# Allegro board Coral-Dev-Board-baseboard-layout-Allegro.brd (continued)
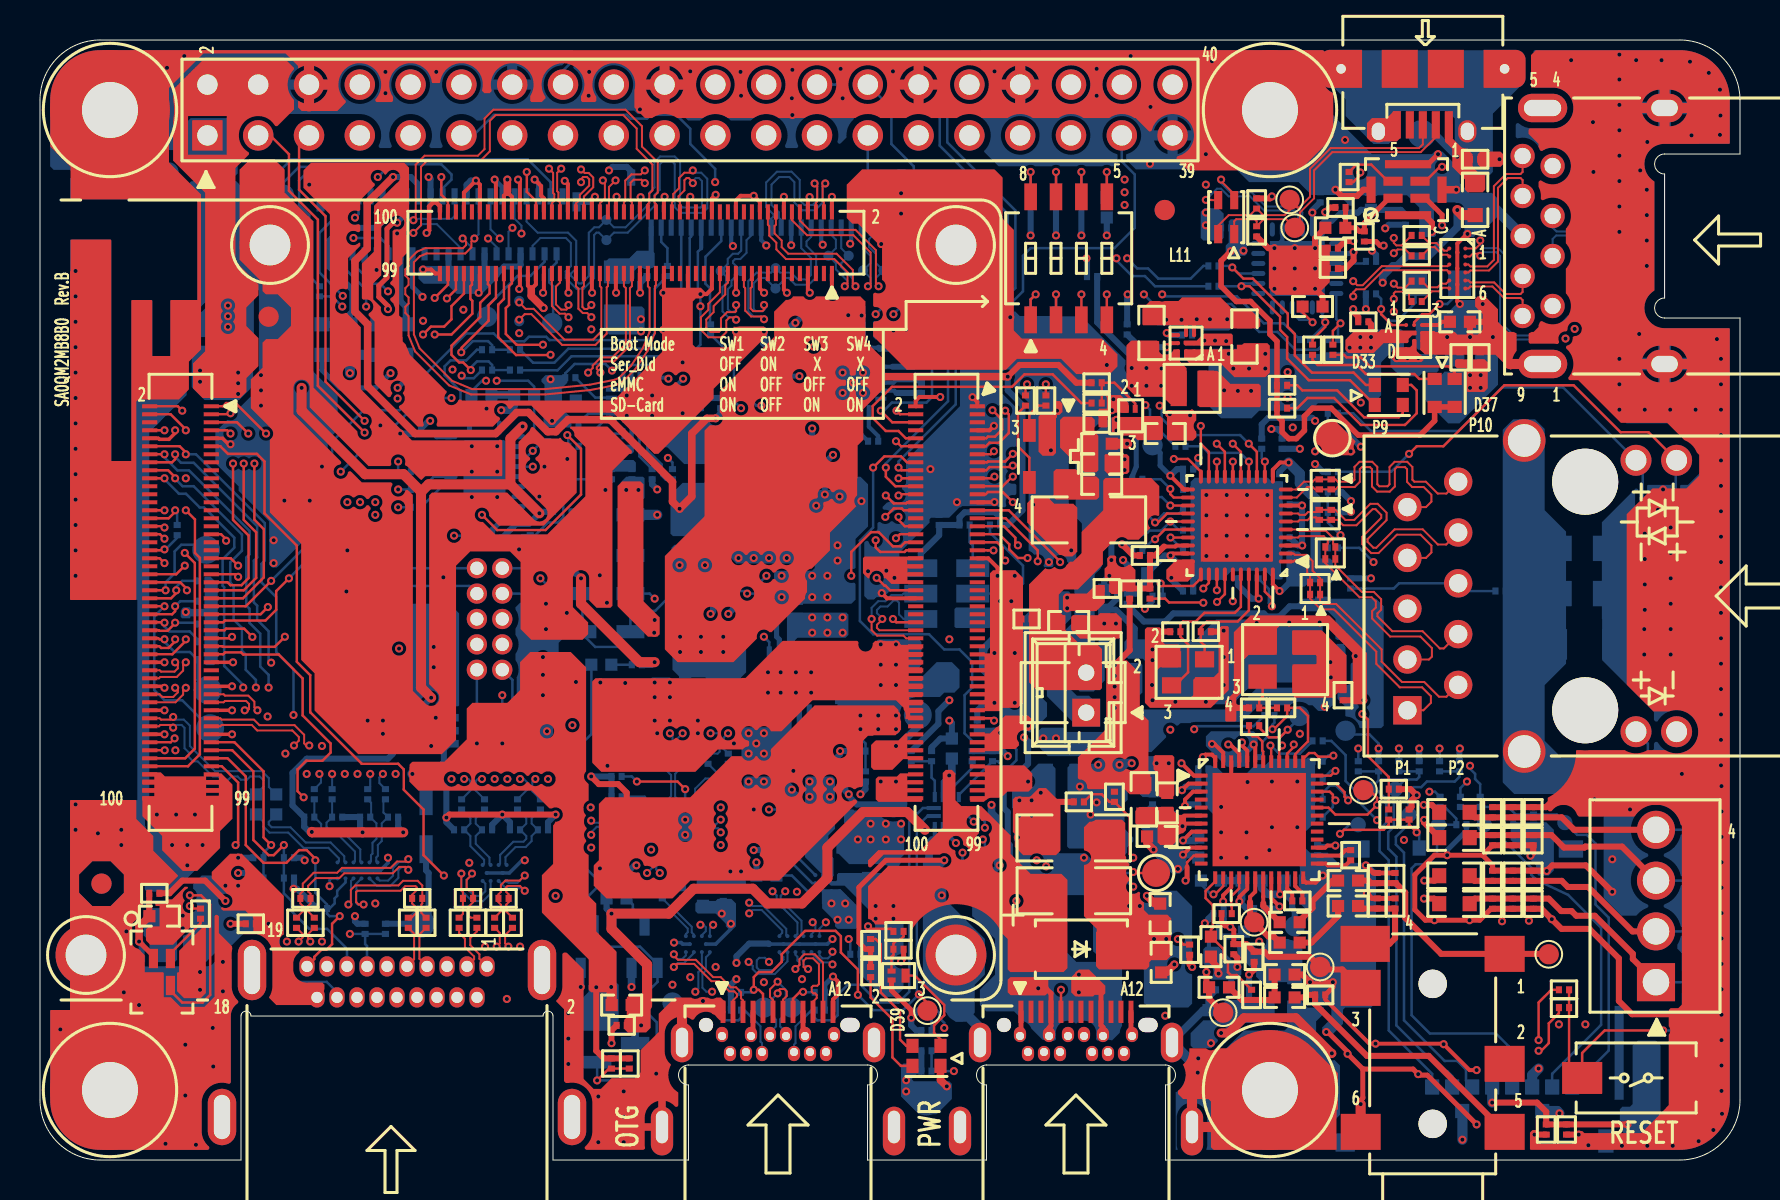
[diagram p0: board, top side]
## Routing (per net, layer and track width the routed paths; a pad name or vN(x,y) marks a point on that pad's centre or on a via; arc(x,y) is an arc through that point) (continued)
HDMI_CEC: length 15.9
  TOP w0.127: v1(9.78,15.75) 9.91,15.88 9.91,18.87 9.09,19.69 J1312.91
  L03_SIG1 w0.102: v1(9.78,15.75) 9.93,15.75 14.38,11.3 v1(15.49,11.3)
  BOTTOM w0.127: ESD13.2 16.26,10.79 16.35,10.7 J5.13 ; ESD13.2 v1(15.49,11.3) ; ESD13.2 R40.1
HDMI_CLK_C_N: length 3.6
  BOTTOM w0.102: U10.C6 16.81,14.94 16.81,15.13 16.89,15.21 16.89,15.75 17.09,15.95 17.09,16.83 17.4,17.14 17.17,17.37 17.17,17.93 C58.2
HDMI_CLK_C_P: length 3.5
  BOTTOM w0.102: C57.2 16.56,17.86 16.56,17.19 R43.2 16.82,16.83 16.82,16.06 16.62,15.86 16.62,15.32 16.55,15.24 16.55,14.95 U10.C5
HDMI_CLK_CN_N: length 10
  TOP w0.102: R189.1 13.14,12.43 13.14,12.7 13.02,12.82 R192.2 13.02,13.32 13.14,13.44 13.14,13.82 13.69,14.36 14.86,14.36 15.1,14.61 17.53,14.61 17.85,14.92 18.29,14.92 v1(18.42,15.04)
  BOTTOM w0.102: U10.A6 16.98,13.97 17.4,13.97 17.65,14.22 17.65,14.61 17.96,14.91 18.28,14.91 v1(18.42,15.04)
HDMI_CLK_CN_P: length 10
  TOP w0.102: v1(18.42,14.51) 18.27,14.66 17.96,14.66 17.64,14.34 15.21,14.34 14.97,14.1 13.8,14.1 13.41,13.71 13.41,13.43 13.53,13.31 R192.1 13.53,12.82 13.41,12.7 13.41,12.43 R188.1
  BOTTOM w0.102: v1(18.42,14.51) 18.28,14.64 18.07,14.64 17.92,14.49 17.92,14.11 17.51,13.7 16.85,13.7 U10.A5
HDMI_CLK_N: length 25.7
  TOP w0.102: v1(7.29,24.89) 7.16,24.75 7.16,24.47 6.84,24.15 6.02,24.15 5.95,24.09 J1312.70
  L03_SIG1 w0.089: v1(17.15,19.3) 16.96,19.49 16.96,19.63 17.08,19.75 19.07,19.75 19.34,19.47 19.34,19.16 19.11,18.93 18.86,18.93 18.67,18.74 18.67,18.49 18.48,18.3 18.22,18.3 18.04,18.48 17.77,18.48 17.6,18.3 17.33,18.3 17.16,18.48 16.89,18.48 16.71,18.3 16.45,18.3 16.27,18.48 16.01,18.48 15.83,18.3 15.56,18.3 15.39,18.48 15.12,18.48 14.95,18.3 14.15,18.3 13.65,18.8 13.24,18.8 13.06,18.98 12.8,18.98 12.62,18.8 12.36,18.8 12.18,18.98 11.91,18.98 11.74,18.8 11.47,18.8 11.3,18.98 11.03,18.98 10.85,18.8 9.18,18.8 8.34,19.65 8.34,23.92 7.79,24.47 7.28,24.47 7.16,24.59 7.16,24.75 v1(7.29,24.89)
  BOTTOM w0.102: C58.1 16.97,18.85 16.97,19.13 v1(17.15,19.3)
HDMI_CLK_P: length 25.7
  TOP w0.102: v1(6.76,24.89) 6.89,24.75 6.89,24.58 6.73,24.42 6.05,24.42 5.99,24.49 J1312.68
  L03_SIG1 w0.089: v1(6.76,24.89) 6.89,24.75 6.89,24.48 7.17,24.21 7.67,24.21 8.07,23.81 8.07,19.54 9.07,18.54 13.54,18.54 14.04,18.03 18.59,18.03 19.61,19.05 19.61,19.58 19.18,20.02 16.97,20.02 16.69,19.74 16.69,19.49 v1(16.51,19.3)
  BOTTOM w0.102: C57.1 16.51,18.67 v1(16.51,19.3)
HDMI_DDC_SCL: length 15.9
  TOP w0.127: v1(12.19,15.75) 11.68,15.24 11.43,15.24 10.67,16 10.67,19.43 9.61,20.49 J1312.87
  BOTTOM w0.127: v1(12.19,15.75) R39.1 ESD12.2 12.19,13.34 12.57,12.95 12.57,12.45 13.46,11.56 14.35,11.56 15.35,10.56 J5.15
HDMI_DDC_SDA: length 17.2
  TOP w0.127: v1(11.56,15.75) 11.18,16.13 11.18,19.43 9.72,20.89 J1312.85
  BOTTOM w0.127: J5.16 14.85,8.39 14.34,8.9 12.81,8.9 11.94,9.78 11.94,12.95 11.18,13.72 ESD8.2 R38.1 11.18,15.37 v1(11.56,15.75)
HDMI_HPD: length 18.8
  TOP w0.127: v1(14.99,12.19) 14.61,11.81 14.61,10.79 14.33,10.52 14.07,10.52 13.72,10.16 13.72,10.05 J5.19 ; J1312.89 9.38,20.09 10.29,19.18 10.29,15.75 11.18,14.86 12.32,14.86 12.95,15.49 13.34,15.49 13.77,15.06 v1(13.77,14.99)
  BOTTOM w0.127: R47.2 14.35,12.32 14.48,12.19 v1(14.99,12.19) ; R47.2 14.35,12.78 13.77,13.36 v1(13.77,14.99) ; R47.2 14.48,12.57 14.73,12.83 14.73,13.08 14.86,13.21 14.86,13.46 15.28,13.88 U10.A2
HDMI_REFCLK_N: length 6.2
  TOP w0.102: J1310.60 43.31,26.09 43.17,26.22 41.86,26.22 41.58,26.5 v1(41.58,27.05)
  BOTTOM w0.102: Y1.5 43.18,28.32 43.1,28.24 42.57,28.24 42.27,27.94 41.91,27.94 41.58,27.61 v1(41.58,27.05)
HDMI_REFCLK_P: length 6.2
  TOP w0.102: v1(42.11,27.05) 42.11,27.03 41.85,26.76 41.85,26.61 41.97,26.49 J1310.58
  BOTTOM w0.102: Y1.4 43.18,27.05 42.95,27.28 42.95,27.86 42.84,27.98 42.68,27.98 42.38,27.67 42.02,27.67 41.85,27.5 41.85,27.34 42.11,27.08 v1(42.11,27.05)
HDMI_TX0_C_N: length 4.3
  BOTTOM w0.102: C56.2 R42.2 14.33,16.87 14.33,16.66 14.5,16.48 15.06,16.48 16.01,15.53 16.01,14.94 U10.C4
HDMI_TX0_C_P: length 4.4
  BOTTOM w0.102: C55.2 R41.2 14.06,16.8 14.06,16.55 14.39,16.22 14.95,16.22 15.75,15.42 15.75,14.95 U10.C3
HDMI_TX0_CN_N: length 7.8
  TOP w0.102: R187.1 18.57,12.12 18.8,12.34 18.8,12.63 18.61,12.83 R96.2 18.61,13.26 18.85,13.5 18.85,13.62 18.77,13.69 18.26,13.69 18.03,13.46 15.87,13.46 15.81,13.4 15.81,12.9 15.93,12.78 v1(16.18,12.78)
  BOTTOM w0.102: U10.A4 15.82,13.82 15.82,12.84 15.88,12.78 v1(16.18,12.78)
HDMI_TX0_CN_P: length 7.8
  TOP w0.102: v1(15.42,12.78) 15.54,12.9 15.54,13.51 15.76,13.73 17.92,13.73 18.15,13.96 18.88,13.96 19.11,13.73 R96.1 19.11,12.83 19.07,12.78 19.07,12.35 R186.1
  BOTTOM w0.102: U10.A3 15.55,13.96 15.55,12.91 v1(15.42,12.78)
HDMI_TX0_N: length 35.5
  TOP w0.102: v1(10.87,22.49) 10.72,22.64 10.72,22.91 10.41,23.22 9.25,23.22 9.18,23.29 J1312.73
  L03_SIG1 w0.089: v1(14.61,19.3) 14.42,19.49 14.42,19.74 14.16,20 12.89,20 12.81,19.92 11.99,19.92 11.82,20.1 11.55,20.1 11.38,19.92 11.11,19.92 10.93,20.1 10.67,20.1 10.49,19.92 9.73,19.92 9.2,20.45 9.2,21.66 9.38,21.84 9.38,22.1 9.2,22.28 9.2,22.81 9.38,22.98 9.38,23.25 9.2,23.42 9.2,23.95 9.38,24.12 9.38,24.39 9.2,24.57 9.2,25.09 9.38,25.27 9.38,25.53 9.2,25.71 9.2,26.61 9.38,26.78 9.38,27.05 9.2,27.23 9.2,28 9.49,28.29 9.76,28.29 9.93,28.11 10.2,28.11 10.37,28.29 13.26,28.29 13.35,28.2 13.35,27.78 13.26,27.69 11.98,27.69 11.74,27.45 11.74,26.81 11.98,26.56 12.99,26.56 13.08,26.47 13.08,24.48 12.9,24.3 12.9,24.04 13.08,23.86 13.08,23.6 12.4,22.92 12.16,22.92 11.97,22.73 11.97,22.49 11.78,22.3 11.78,21.43 11.56,21.21 10.8,21.21 10.5,21.5 10.5,22.12 v1(10.87,22.49)
  BOTTOM w0.102: C56.1 v1(14.61,19.3)
HDMI_TX0_P: length 35.5
  TOP w0.102: v1(10.24,22.49) 10.39,22.49 10.45,22.55 10.45,22.8 10.3,22.95 9.25,22.95 9.18,22.89 J1312.75
  L03_SIG1 w0.089: v1(10.24,22.49) 10.24,21.39 10.69,20.94 11.67,20.94 12.05,21.32 12.05,22.19 13.34,23.49 13.34,26.58 13.1,26.83 12.09,26.83 12.01,26.92 12.01,27.34 12.09,27.43 13.37,27.43 13.62,27.67 13.62,28.31 13.38,28.56 9.38,28.56 8.93,28.11 8.93,20.34 9.62,19.65 12.92,19.65 13,19.74 14.05,19.74 14.15,19.63 14.15,19.36 14.1,19.3 v1(13.97,19.3)
  BOTTOM w0.102: v1(13.97,19.3) 14.05,19.23 14.05,18.87 C55.1
HDMI_TX1_C_N: length 4.1
  BOTTOM w0.102: U11.C4 23.27,14.81 23.27,15.14 23.77,15.65 24.28,15.65 24.58,15.94 24.58,16.2 R51.2 24.58,16.82 24.58,17.09 C63.2
HDMI_TX1_C_P: length 4.1
  BOTTOM w0.102: C62.2 24.31,17.09 24.31,16.82 R50.2 24.31,16.2 24.31,16.06 24.17,15.91 23.66,15.91 23.01,15.25 23.01,14.82 U11.C3
HDMI_TX1_CN_N: length 4.3
  TOP w0.102: R185.1 23.04,12.43 23.04,12.77 22.92,12.89 R69.2 22.92,13.28 23.04,13.4 23.04,13.75 23.27,13.97 23.98,13.97 v1(24.24,14.22)
  BOTTOM w0.102: v1(24.24,14.22) 23.87,13.86 23.43,13.86 U11.A4
HDMI_TX1_CN_P: length 4.3
  TOP w0.102: v1(24.24,13.46) 24,13.7 23.38,13.7 23.31,13.64 23.31,13.4 23.43,13.28 R69.1 23.43,12.89 23.31,12.77 23.31,12.43 R184.1
  BOTTOM w0.102: U11.A3 23.3,13.59 24.11,13.59 v1(24.24,13.46)
HDMI_TX1_N: length 35.4
  TOP w0.102: v1(12.7,20.73) 12.94,20.97 12.94,21.15 12.61,21.48 10.86,21.48 10.59,21.75 9.08,21.75 9.02,21.69 J1312.81
  L03_SIG1 w0.089: v1(12.7,20.73) 12.95,20.97 12.95,21.45 13.94,22.44 13.94,27.15 14.61,27.81 15.24,27.81 15.75,27.3 15.75,25.72 15.84,25.64 16.52,25.64 16.76,25.39 16.76,24.75 16.52,24.51 15.84,24.51 15.75,24.42 15.75,24 15.84,23.91 16.52,23.91 16.76,23.66 16.76,23.02 16.52,22.78 15.84,22.78 15.75,22.69 15.75,21.49 16.36,20.88 18.29,20.88 18.8,21.39 19.99,21.39 21.39,19.99 24.1,19.99 24.52,19.58 24.52,19.3 v1(24.77,19.05)
  BOTTOM w0.102: C63.1 24.61,18.44 24.61,18.9 v1(24.77,19.05)
HDMI_TX1_P: length 35.3
  TOP w0.102: J1312.79 9.02,22.09 9.08,22.02 10.7,22.02 10.97,21.74 12.73,21.74 13.21,21.26 13.21,20.83 13.31,20.73 v1(13.46,20.73)
  L03_SIG1 w0.089: v1(13.46,20.73) 13.31,20.73 13.21,20.82 13.21,21.34 14.21,22.33 14.21,27.04 14.72,27.55 15.13,27.55 15.48,27.19 15.48,25.61 15.73,25.37 16.41,25.37 16.5,25.28 16.5,24.86 16.41,24.77 15.73,24.77 15.48,24.53 15.48,23.89 15.73,23.64 16.41,23.64 16.5,23.55 16.5,23.13 16.41,23.04 15.73,23.04 15.48,22.8 15.48,21.38 16.25,20.61 18.4,20.61 18.91,21.12 19.88,21.12 21.28,19.72 23.99,19.72 24.25,19.47 24.25,19.25 24.05,19.05 v1(24,19.05)
  BOTTOM w0.102: C62.1 24.34,18.5 24.34,18.9 24.19,19.05 v1(24,19.05)
HDMI_TX2_C_N: length 3.5
  BOTTOM w0.102: U11.C2 22.47,14.81 22.47,15.12 21.79,15.81 21.79,16.2 R49.2 21.79,16.82 21.79,17.09 C61.2
HDMI_TX2_C_P: length 3.5
  BOTTOM w0.102: C60.2 21.52,17.09 21.52,16.82 R48.2 21.52,16.2 21.52,15.69 22.21,15.01 22.21,14.82 U11.C1
HDMI_TX2_CN_N: length 5.6
  TOP w0.102: R183.1 21.15,12.31 R68.2 21.15,13.39 21.07,13.47 v1(21.07,14.32)
  BOTTOM w0.102: v1(21.07,14.32) 21.07,13.48 21.6,12.94 22.15,12.94 22.53,13.33 U11.A2
HDMI_TX2_CN_P: length 5.6
  TOP w0.102: R182.1 21.54,12.12 21.41,12.24 21.41,12.65 21.65,12.89 R68.1 21.65,13.41 21.58,13.48 21.43,13.48 21.33,13.58 21.33,14 21.6,14.27 v1(21.6,14.32)
  BOTTOM w0.102: v1(21.6,14.32) 21.6,14.27 21.33,14 21.33,13.59 21.71,13.21 22.04,13.21 22.27,13.44 22.27,13.82 U11.A1
HDMI_TX2_N: length 35.2
  TOP w0.102: v1(6.76,23.61) 6.89,23.48 6.89,23.38 6.66,23.15 6.12,23.15 5.99,23.29 J1312.74
  L03_SIG1 w0.089: v1(22.1,19.05) 21.78,18.73 21.78,17.85 21.45,17.52 19.75,17.52 19.08,16.85 15.82,16.85 15.73,16.76 15.73,14.71 15.48,14.47 14.84,14.47 14.6,14.71 14.6,17.03 14.46,17.17 13.86,17.17 13.48,16.79 12.81,16.79 12.5,17.1 12.5,17.55 12.41,17.64 11.99,17.64 11.9,17.55 11.9,16.39 11.66,16.15 11.02,16.15 10.77,16.39 10.77,17.58 10.68,17.67 10.26,17.67 10.17,17.58 10.17,16.87 9.93,16.62 8.73,16.62 8.5,16.86 8.5,17.89 8.26,18.13 7.53,18.13 7.21,18.45 7.21,22.5 6.89,22.82 6.89,23.48 v1(6.76,23.61)
  BOTTOM w0.102: v1(22.1,19.05) 21.89,19.05 21.79,18.95 21.79,18.47 C61.1
HDMI_TX2_P: length 35.3
  TOP w0.102: v1(7.29,23.61) 7.16,23.48 7.16,23.27 6.77,22.89 J1312.76
  L03_SIG1 w0.089: v1(21.21,19.05) 21.51,18.75 21.51,17.96 21.34,17.79 20.63,17.79 20.45,17.96 20.18,17.96 20.01,17.79 19.64,17.79 18.97,17.12 18.71,17.12 18.53,17.29 18.27,17.29 18.09,17.12 17.82,17.12 17.65,17.29 17.38,17.29 17.21,17.12 16.94,17.12 16.76,17.29 16.5,17.29 16.32,17.12 15.71,17.12 15.46,16.87 15.46,14.82 15.37,14.73 14.95,14.73 14.87,14.82 14.87,17.14 14.57,17.44 13.75,17.44 13.37,17.06 12.92,17.06 12.77,17.21 12.77,17.66 12.52,17.91 11.88,17.91 11.64,17.66 11.64,16.5 11.55,16.41 11.13,16.41 11.04,16.5 11.04,17.69 10.79,17.94 10.15,17.94 9.91,17.69 9.91,16.98 9.82,16.89 8.84,16.89 8.76,16.97 8.76,18 8.37,18.4 7.64,18.4 7.47,18.56 7.47,22.61 7.16,22.93 7.16,23.48 v1(7.29,23.61)
  BOTTOM w0.102: v1(21.21,19.05) 21.42,19.05 21.52,18.95 21.52,18.47 C60.1
HDMI_UTILITY/HEAC+_CN: length 10.5
  L06_SIG2 w0.102: J5.14 15.09,8.89 13.08,8.89 12.57,9.4 12.57,10.31 12.73,10.46 14.3,10.46 14.48,10.64 v1(14.48,13.69)
  BOTTOM w0.127: U10.A1 14.56,14.08 14.48,14 v1(14.48,13.69)
HP_MIC: length 13.7
  TOP w0.305: FB12.2 63.2,8.13 63.32,8.26 C137.2 63.75,7.8 66.35,5.21 69.43,5.21 J4.5
HPO_L: length 4.1
  TOP w0.203: 60.5,12.9 60.5,13.16 60.76,13.41 U2.18
  TOP w0.305: R15.1 61.68,11.18 61.42,11.18 TP16.1 60.5,12.09 60.5,12.9
HPO_R: length 2.6
  TOP w0.203: U2.19 61.16,13.16 61.16,13.15 61.16,12.83
  TOP w0.305: R16.1 61.48,12.4 61.47,12.4 61.16,12.7 61.16,12.83
HPOL: length 3
  TOP w0.305: R15.2 63.58,10.87 64.91,12.2 FB4.1
HPOR: length 3
  TOP w0.305: R16.2 62.98,11.96 63.63,12.61 63.63,12.95 64.64,13.97 FB11.1
I2C2_SCL: length 85.2
  TOP w0.127: v1(21.54,39.5) 21.16,39.88 20.96,39.88 20.57,40.26 20.57,40.72 22.01,42.15 22.01,42.86 22.48,43.33 22.48,43.71 22.4,43.8 J1311.87 ; R202.1 v1(50.29,38.79) ; J15.5 12.95,50.73 12.95,48.51 14.28,47.19 14.28,38.91 v1(16.23,36.96)
  L06_SIG2 w0.102: v1(21.54,39.5) 21.16,39.88 21.01,39.88 20.83,40.06 16.97,40.06 16.57,39.66 16.57,37.3 v1(16.23,36.96) 16.64,36.55 16.64,34.8 14.91,33.07 14.91,32.34 16.16,31.09 19.23,31.09 20.32,32.18 21.34,32.18 21.95,31.57 24.33,31.57 24.94,30.96 39.04,30.96 39.5,31.42 40.77,31.42 41.66,30.53 44.32,30.53 46.43,32.64 46.43,37.34 47.8,38.71 48.49,38.71 49.78,40.01 50.67,40.01 50.93,39.75 50.93,38.89 50.82,38.79 v1(50.29,38.79)
  BOTTOM w0.127: v1(21.54,39.5) 21.54,39.62 21.84,39.93 22.43,39.93 22.61,39.75 R130.1 23.5,39.5
I2C2_SDA: length 82.5
  TOP w0.127: R203.1 49.28,38.71 v1(49.35,38.79) ; J1311.85 22.8,43.1 22.43,42.74 22.43,41.96 21.08,40.61 21.08,40.41 v1(21.06,40.39) ; J15.3 11.51,51.23 12.45,50.29 12.45,48.46 13.89,47.02 13.89,38.71 v1(16.23,36.37)
  L06_SIG2 w0.102: v1(49.35,38.79) 49.28,38.71 49.28,38.7 48.98,38.4 47.93,38.4 46.74,37.21 46.74,32.51 44.45,30.23 41.53,30.23 40.64,31.11 39.62,31.11 39.17,30.66 24.81,30.66 24.2,31.27 21.82,31.27 21.21,31.88 20.45,31.88 19.36,30.78 16.03,30.78 14.61,32.21 14.61,33.2 16.23,34.82 v1(16.23,36.37) 15.8,36.8 15.8,37.22 16.19,37.61 16.19,39.71 16.87,40.39 v1(21.06,40.39)
  BOTTOM w0.127: 23.5,40.51 R133.1 22.61,40.74 22.4,40.94 21.64,40.94 21.08,40.39 v1(21.06,40.39)
I2C3_SCL: length 107.9
  TOP w0.127: J1311.83 23.2,43.05 22.91,42.77 22.91,41.14 23.81,40.25 25.51,40.25 v1(25.53,40.26) ; U2.39 62.36,20.32 62.69,20.65 v1(62.69,20.78)
  L03_SIG1 w0.102: v1(54.23,49.02) 49.35,49.02 48.78,49.59 45.97,49.59 45.4,50.16 43.43,50.16 42.55,51.05 42.55,52.61 J15.28 ; v1(46.69,16.92) 47.07,17.3 47.9,17.3 48.21,17.6 50.11,17.6 50.8,18.29 50.8,18.72 53.16,21.08 57.86,21.08 58.34,21.56 60.88,21.56 61.32,21.13 62.33,21.13 v1(62.69,20.78)
  L06_SIG2 w0.102: v1(42.67,42.29) 41.91,41.53 38.44,41.53 36.79,39.88 33.22,39.88 32.54,40.56 31.22,40.56 31.09,40.44 28.58,40.44 28.22,40.08 25.78,40.08 25.6,40.26 v1(25.53,40.26) ; v1(54.23,49.02) 57.46,45.8 57.46,38.71 58.81,37.35 59.93,37.35 61.95,35.33 61.95,34.42 60.83,33.3 60.83,29.44 60.44,29.04 60.44,27.11 60.2,26.87 60.2,23.37 61.42,22.15 61.6,22.15 62,21.74 62,21.31 62.18,21.13 62.33,21.13 v1(62.69,20.78)
  BOTTOM w0.127: J15.28 42.57,52.59 42.57,50.8 43.69,49.68 43.69,47.12 43.33,46.76 43.33,42.95 v1(42.67,42.29) ; v1(46.69,16.92) 46.4,17.2 U9.8
I2C3_SDA: length 106.8
  TOP w0.127: J1311.81 23.6,43.84 23.45,43.69 23.45,42.76 23.29,42.6 23.29,41.3 23.83,40.76 v1(25.15,40.76) ; v1(62.1,20.73) 61.96,20.58 U2.40
  L03_SIG1 w0.102: J15.27 42.76,49.86 45.28,49.86 45.89,49.25 48.62,49.25 49.48,48.39 53,48.39 53.12,48.27 53.12,47.62 53.24,47.5 53.41,47.5 53.53,47.62 53.53,48.27 53.65,48.39 v1(54.23,48.39) ; v1(62.1,20.73) 61.72,20.35 61.32,20.35 61.11,20.55 61.11,20.9 60.76,21.26 58.47,21.26 57.99,20.78 53.29,20.78 51.18,18.67 51.18,17.91 49.96,16.69 47.32,16.69 v1(47.24,16.61)
  L06_SIG2 w0.102: v1(54.23,48.39) 54.36,48.39 54.97,47.77 54.97,46.75 55.09,46.63 55.26,46.63 55.59,46.96 55.76,46.96 55.88,46.84 55.88,46.67 55.55,46.35 55.55,46.18 55.67,46.06 55.84,46.06 56.16,46.39 56.33,46.39 56.45,46.27 56.45,46.1 56.12,45.77 56.12,45.6 56.24,45.48 56.41,45.48 56.69,45.76 56.93,45.76 57.07,45.62 57.07,42.8 56.69,42.42 56.69,41.71 57.15,41.25 57.15,38.58 58.79,36.94 59.91,36.94 61.65,35.2 61.65,34.7 60.73,33.78 60.12,33.78 59.87,33.53 59.87,29.87 60.1,29.64 60.1,27.25 59.89,27.05 59.89,23.22 61.14,21.97 61.14,21.34 61.37,21.11 61.72,21.11 v1(62.1,20.73) ; v1(41.78,42.29) 41.33,41.83 38.31,41.83 36.87,40.39 33.15,40.39 32.56,40.97 31.19,40.97 30.96,40.74 28.45,40.74 28.09,40.39 26.04,40.39 25.66,40.76 v1(25.15,40.76)
  BOTTOM w0.127: U9.7 46.56,17.6 47.24,16.92 v1(47.24,16.61) ; v1(41.78,42.29) 42.95,43.46 42.95,46.58 41.39,48.15 J15.27
ID0: length 16.7
  BOTTOM w0.127: P3.3 25.53,48.89 24.38,50.04 12.57,50.04 TP20.1
ID1: length 3.7
  BOTTOM w0.127: TP5.1 25.65,41.89 25.65,43.69 25.46,43.88 25.46,44.51 25.83,44.88 P3.2
IN1P_HP_MIC: length 9.7
  TOP w0.127: U2.11 57.69,15.22 57.35,14.88 57.35,14.65
  TOP w0.254: v1(57.28,13.97) 57.35,14.05 57.35,14.65
  TOP w0.305: v1(58.32,9.4) 58.32,8.77 C127.2 58.45,8.07 TP19.1
  L06_SIG2 w0.305: v1(58.32,9.4) 58.32,11.18 58.93,11.79 58.93,12.34 57.3,13.97 v1(57.28,13.97)
IRQ: length 3.4
  TOP w0.127: v1(61.52,20.73) 61.54,20.73 61.56,20.71 U2.41
  BOTTOM w0.127: R20.1 62.99,20.32 61.95,20.32 61.54,20.73 v1(61.52,20.73)
ISET: length 1.9
  BOTTOM w0.127: R165.2 27.04,37.72 U15.3
J_DETECT: length 12.6
  TOP w0.254: ESD10.2 59.69,11.51 59.51,11.68 ; v1(59.51,11.66) 59.51,11.68 ; 59.51,11.68 59.49,11.71 59.26,11.71 59.08,11.89 R18.2
  TOP w0.305: v1(57.61,9.65) 57.48,9.78 R181.1 ; ESD10.2 60.33,10.79 R5.1 61.21,10.41 61.47,10.16 63.5,10.16 TP18.1 64.14,9.53 65.12,9.53 J4.3
  L03_SIG1 w0.305: v1(57.61,9.65) 57.61,9.75 v1(59.51,11.66)
JTAG_NTRST: length 9.3
  TOP w0.127: J1312.55 9.16,26.89 9.25,26.97 11.28,26.97 11.81,27.51 11.81,28.45 v1(12.45,29.08)
  BOTTOM w0.127: 16.13,29.72 13.08,29.72 v1(12.45,29.08)
JTAG_TCK: length 21.1
  TOP w0.127: v1(11.39,27.65) 11.03,27.29 J1312.53
  L06_SIG2 w0.102: J12.4 24,24.89 24,24 23.75,23.75 21.46,23.75 21.08,24.13 21.08,26.29 19.33,28.04 11.77,28.04 11.39,27.66 v1(11.39,27.65)
JTAG_TDI: length 29.6
  TOP w0.127: J1312.61 9.12,25.69 9.14,25.66 11.74,25.66 v1(12.24,26.16)
  L06_SIG2 w0.102: v1(12.24,26.16) 12.57,26.16 13.54,27.13 18.47,27.13 19.05,26.54 19.05,24.51 21.01,22.56 23.95,22.56 24.77,23.37 24.77,28.83 v1(25.02,29.08)
  BOTTOM w0.127: v1(25.02,29.08) 25.27,28.83 R106.1 25.15,28.32 J12.8
JTAG_TDO: length 23.9
  TOP w0.127: J1312.57 9.22,26.49 9.3,26.57 10.2,26.57 v1(10.62,26.16)
  L06_SIG2 w0.102: J12.6 24.38,25.78 24.38,23.62 23.62,22.86 21.21,22.86 20.32,23.75 20.32,25.78 18.67,27.43 12.73,27.43 11.99,26.69 11.15,26.69 v1(10.62,26.16)
JTAG_TMS: length 22.3
  TOP w0.127: J1312.59 9.53,26.09 v1(9.6,26.16)
  L06_SIG2 w0.102: v1(9.6,26.16) 10.65,27.2 11.86,27.2 12.4,27.74 19.13,27.74 20.7,26.16 20.7,24 21.46,23.24 v1(23.11,23.24)
  BOTTOM w0.127: J12.2 23.62,24 23.62,22.61 R105.1 v1(23.11,23.24)
LED0_CFG_EXT: length 13.9
  TOP w0.127: v1(58.17,28.57) 58.44,28.85 U18.32
  L03_SIG1 w0.102: v1(58.17,28.57) 59.39,29.79 61.7,29.79 62.59,30.68 62.59,34.26 v1(63.75,35.43)
  BOTTOM w0.127: v1(63.75,35.43) R75.2 R74.2 R80.1
LED1_CFG_LDO0: length 36.9
  TOP w0.127: J11.L3 80.43,36.39 79.03,36.39 76.68,38.73 73.22,38.73 70.17,35.69 68.83,35.69 v1(68.45,35.31) ; U18.33 v1(58.84,28.49)
  L03_SIG1 w0.102: v1(68.45,35.31) 66.42,35.31 64.01,32.89 64.01,30.86 62.61,29.46 59.49,29.46 58.84,28.82 v1(58.84,28.49)
  BOTTOM w0.127: C150.2 81.79,34.94 J11.L3 ; v1(68.45,35.31) 67.56,34.42 R77.2
LED2_CFG_LDO1: length 13.1
  TOP w0.127: v1(58.85,27.9) 59.24,28.3 U18.34
  L03_SIG1 w0.102: v1(58.85,27.9) 59.26,28.31 59.26,28.8 59.48,29.03 62.96,29.03 64.39,30.45 64.39,30.86 64.77,31.24 v1(65.02,31.24)
  BOTTOM w0.127: R79.2 R78.2 64.39,31.88 v1(65.02,31.24) 64.9,31.11 64.64,31.11 64.39,30.86 R76.1
LED_PWM: length 28.1
  L03_SIG1 w0.102: v1(15.67,46.1) 15.67,44.28 14.61,43.21 14.61,41.35 17.88,38.07 v1(17.88,38.07)
  L06_SIG2 w0.102: v1(17.88,38.07) 17.88,37.87 19.38,36.37 23.16,36.37 24.46,35.08 25.71,35.08 26.16,34.62 26.82,34.62 27.31,35.1 v1(31.39,35.1)
  BOTTOM w0.127: v1(15.67,46.1) 17.02,46.1 17.43,45.69 P3.30 ; v1(31.39,35.1) 31.62,34.87 R150.1
LINK / ACTIVE: length 19.8
  BOTTOM w0.127: R80.2 65.66,37.34 66.55,36.45 70.93,36.45 73.11,38.63 76.16,38.63 J11.L4 80.14,34.65 C149.2
LINKACT: length 30.7
  L06_SIG2 w0.102: v1(66.68,29.9) 66.68,29.87 67.01,29.54 67.01,21.49 66.52,21.01 66.52,20.32 68,18.85 70.05,18.85 71.63,17.27 75.67,17.27 78.16,19.77 78.7,19.77 79.8,20.87 J11.L2
  BOTTOM w0.127: J11.L2 80.39,20.82 C148.2 ; v1(66.68,29.9) 65.96,30.61 R76.2
MCLK: length 5.9
  TOP w0.127: v1(61.62,21.54) 61.7,21.54 62.36,22.2 R146.2 62.99,22.61 63.4,22.2 63.4,20.93 62.76,20.29 U2.38
  BOTTOM w0.127: R147.2 61.72,21.87 61.62,21.77 v1(61.62,21.54)
MDC: length 5.3
  TOP w0.127: U18.13 60.84,35.41 v1(60.44,35.81)
  BOTTOM w0.127: R66.2 57.73,36.25 60.01,36.25 v1(60.44,35.81)
MDIO: length 4.2
  TOP w0.127: v1(60.44,34.92) U18.14
  BOTTOM w0.127: R67.2 58.09,35.69 58.42,35.36 60.01,35.36 v1(60.44,34.92)
MICBIAS1: length 7
  TOP w0.127: U2.13 58.76,13.93 58.28,13.45 58.28,13.09 58.64,12.74 58.64,11.61 58.55,11.52 C140.1 59.18,10.53 59.18,10.08 59.4,9.87 59.4,9.39 59.54,9.25 59.84,9.25 R23.2
MICVDD: length 4.5
  TOP w0.203: v1(59.16,12.93) 59.16,13.23 59.56,13.64 U2.15
  BOTTOM w0.305: R174.2 59.95,11.18 58.98,11.18 C28.1 58.95,11.79 59.18,12.01 C27.1 59.18,12.9 v1(59.16,12.93)
MIPI_CSI1_CLK_N: length 10.4
  TOP w0.102: v1(40.77,43.69) 40.64,43.82 40.64,44.5 39.83,45.31 37.41,45.31 37.08,45.64 37.08,45.97 36.73,46.33 36.73,46.7 36.8,46.76 J1311.16
  BOTTOM w0.102: v1(40.77,43.69) 40.64,43.82 40.64,44.07 40.06,44.65 40.06,44.84 TP63.1 40.06,45.59 P1.5
MIPI_CSI1_CLK_P: length 10.5
  TOP w0.102: J1311.18 36.4,46.76 36.46,46.7 36.46,46.22 36.82,45.86 36.82,45.53 37.3,45.05 39.72,45.05 40.37,44.39 40.37,43.82 v1(40.24,43.69)
  BOTTOM w0.102: v1(40.24,43.69) 40.37,43.82 40.37,43.95 39.79,44.54 39.79,44.84 TP64.1 39.79,45.59 39.79,46.02 39.56,46.25 P1.6
MIPI_CSI1_D0_N: length 10.2
  TOP w0.102: J1311.10 38,46.97 38.46,46.51 40.78,46.51 41.8,45.49 41.8,43.82 v1(41.93,43.69)
  BOTTOM w0.102: P1.2 41.56,46.15 41.45,46.05 41.45,45.65 41.8,45.31 41.8,44.85 TP61.1 41.8,44.1 41.8,43.82 v1(41.93,43.69)
MIPI_CSI1_D0_P: length 10.3
  TOP w0.102: v1(41.4,43.69) 41.53,43.82 41.53,45.38 40.67,46.24 38.35,46.24 37.6,47 J1311.12
  BOTTOM w0.102: v1(41.4,43.69) 41.53,43.82 41.53,44.1 TP62.1 41.53,44.85 41.53,45.2 41.19,45.54 41.19,46.04 41.06,46.17 P1.3
MIPI_CSI1_D1_N: length 11.7
  TOP w0.102: v1(36.2,42.75) 36.2,42.53 36.12,42.44 35.66,42.44 35.53,42.58 35.53,43.59 35.6,43.66 J1311.21
  BOTTOM w0.102: P1.8 38.56,46.16 38.33,45.93 38.33,45.7 38.81,45.22 38.81,44.13 38.44,43.76 37.77,43.76 37.43,44.1 37.3,44.1 TP65.1 36.25,44.1 35.95,44.1 35.68,43.84 35.68,42.55 35.78,42.44 36.14,42.44 36.25,42.55 36.25,42.71 v1(36.2,42.75)
MIPI_CSI1_D1_P: length 11.8
  TOP w0.102: v1(36.2,42.04) 36.07,42.18 35.55,42.18 35.26,42.47 35.26,43.59 35.2,43.66 J1311.23
  BOTTOM w0.102: v1(36.2,42.04) 36.07,42.18 35.67,42.18 35.41,42.44 35.41,43.95 35.83,44.37 36.56,44.37 TP66.1 37,44.37 37.55,44.37 37.88,44.03 38.33,44.03 38.54,44.24 38.54,45.11 38.06,45.59 P1.9
MIPI_CSI1_D2_N: length 9
  TOP w0.102: v1(39.26,48.83) 39.13,48.69 39.13,47.95 39.2,47.88 J1311.4
  BOTTOM w0.102: P1.11 37.06,47 36.94,47.12 36.94,47.38 36.58,47.75 36.58,48.77 36.96,49.15 37.47,49.15 37.72,48.9 37.72,47.88 38.11,47.49 38.75,47.49 39.13,47.87 39.13,48.69 v1(39.26,48.83)
MIPI_CSI1_D2_P: length 9
  TOP w0.102: v1(38.73,48.83) 38.86,48.69 38.86,47.93 38.8,47.86 J1311.6
  BOTTOM w0.102: P1.12 36.56,47.07 36.68,47.18 36.68,47.27 36.31,47.64 36.31,48.88 36.85,49.42 37.58,49.42 37.99,49.01 37.99,47.99 38.22,47.75 38.64,47.75 38.86,47.98 38.86,48.69 v1(38.73,48.83)
MIPI_CSI1_D3_N: length 11.6
  TOP w0.102: v1(34.81,42.75) 34.81,42.44 34.75,42.39 34.36,42.39 34.05,42.08 34.05,41.5 33.95,41.4 33.53,41.4 33.31,41.62 33.31,42.02 33.68,42.39 33.68,42.7 34.26,43.28 34.26,43.74 34.4,43.87 J1311.27
  BOTTOM w0.102: P1.14 35.56,46.23 35.33,45.99 35.33,45.36 35.01,45.05 34.75,45.05 34.65,44.95 34.65,44.85 TP69.1 34.58,43.97 34.58,43.72 34.39,43.54 34.39,42.54 34.52,42.42 34.7,42.42 34.81,42.52 v1(34.81,42.75)
MIPI_CSI1_D3_P: length 11.7
  TOP w0.102: J1311.29 34,43.39 33.41,42.81 33.41,42.5 33.05,42.13 33.05,41.51 33.42,41.14 34.06,41.14 34.32,41.39 34.32,41.97 34.47,42.13 34.69,42.13 v1(34.81,42.01)
  BOTTOM w0.102: v1(34.81,42.01) 34.67,42.15 34.41,42.15 34.13,42.43 34.13,43.65 34.31,43.83 34.31,44.18 TP70.1 34.39,44.8 34.39,45.06 34.64,45.31 34.9,45.31 35.06,45.47 P1.15
MIPI_DSI_CLK_N: length 24.4
  TOP w0.102: v1(23.96,42.01) 24.24,42.29 24.57,42.29 26.11,40.75 27.77,40.75 28.33,41.32 28.33,43.63 28.4,43.69 J1311.57
  L03_SIG1 w0.089: v1(22.99,46.08) 22.86,46.2 22.86,46.99 23.24,47.37 23.63,47.37 25.13,45.86 25.13,45.53 24.95,45.34 22.61,45.34 22.34,45.07 22.34,42.66 22.23,42.54 22.23,41.27 22.49,41.01 23.23,41.01 23.5,41.27 23.5,41.66 23.85,42.01 v1(23.96,42.01)
  BOTTOM w0.102: v1(22.99,46.08) 22.53,46.54 P3.13
MIPI_DSI_CLK_P: length 24.4
  TOP w0.102: v1(23.96,42.88) 24.28,42.56 24.68,42.56 26.22,41.02 27.66,41.02 28.07,41.43 28.07,43.62 28,43.69 J1311.59
  L03_SIG1 w0.089: v1(23.96,42.88) 23.5,42.41 23.5,42.04 23.23,41.77 23.23,41.39 23.12,41.27 22.6,41.27 22.49,41.39 22.49,42.43 22.61,42.55 22.61,43.07 22.78,43.24 22.78,43.51 22.61,43.68 22.61,43.95 22.78,44.13 22.78,44.39 22.61,44.57 22.61,44.96 22.72,45.07 23.29,45.07 23.46,44.9 23.73,44.9 23.91,45.07 24.17,45.07 24.35,44.9 24.61,44.9 24.79,45.07 25.06,45.07 25.4,45.42 25.4,45.97 24.99,46.39 24.99,46.64 24.8,46.82 24.55,46.82 24.36,47.01 24.36,47.26 24.17,47.45 23.92,47.45 23.74,47.64 23.13,47.64 22.59,47.1 22.59,46.27 v1(22.4,46.08)
  BOTTOM w0.102: v1(22.4,46.08) 22.83,45.65 P3.12
MIPI_DSI_D0_N: length 26.8
  TOP w0.102: J1311.45 30.8,43.74 30.75,43.69 30.75,41.35 30.38,40.47 29.76,39.54 29.1,38.88 28.8,38.75 27.54,38.5 25.26,38.28 21.55,38.28 20.45,38.73 18.76,40.43 18.43,41.22 18.43,42.19 18.27,42.35 18.27,42.66 18.43,42.82 18.43,43.13 18.27,43.29 18.27,43.59 18.43,43.76 18.43,44.06 18.27,44.22 18.27,44.53 18.43,44.69 18.43,45 18.85,45.42 19.27,45.59 21.15,45.59 21.3,45.75 21.3,45.91 v1(21.13,46.08)
  BOTTOM w0.102: P3.16 21.63,45.58 v1(21.13,46.08)
